# Altium PCB PIXHACK_V3X2.PcbDoc (part 2 of 3) (continued)
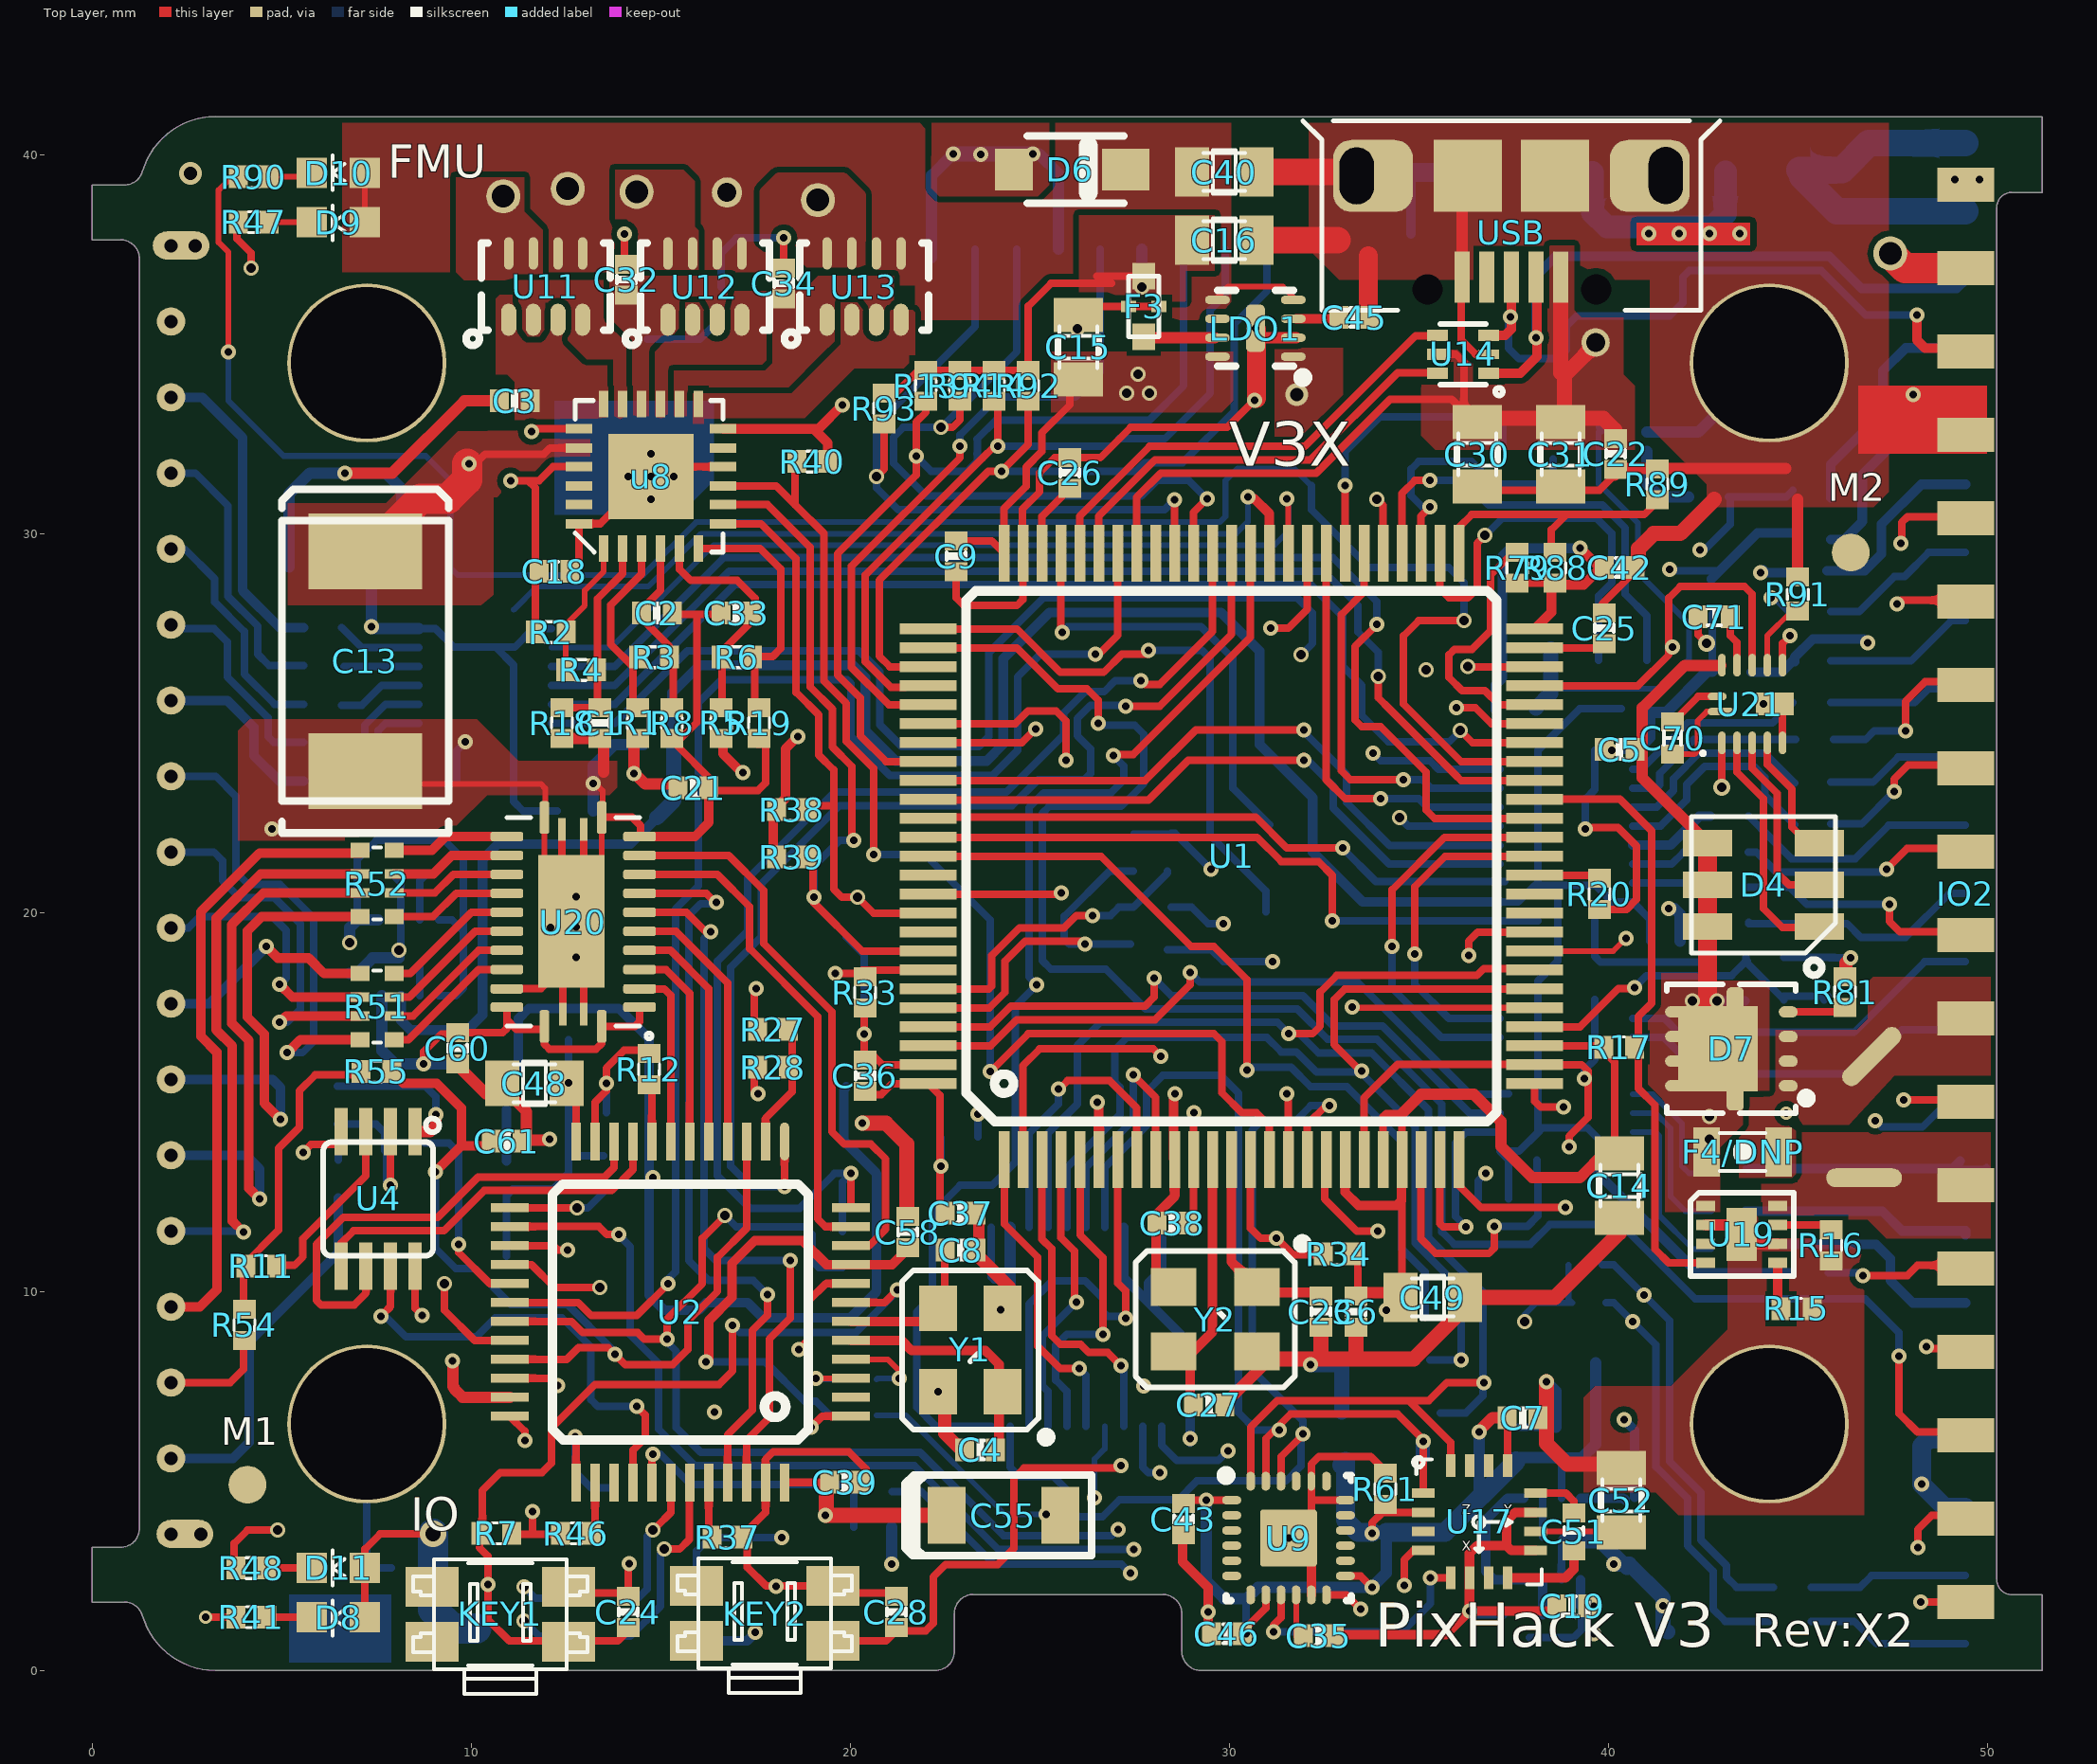
[diagram p0: Top Layer view]
## Nets (pads, with @x,y where several pads share a name; then routed paths per layer and width w, separated by ;. In a path a pad name is that pad's centre, name@x,y a point inside that pad or via, vN(x,y) a via of type N, cw(c..) or ccw(c..) an arc to the next point about the centre after c; other vN are vias at no path point) (continued)
  Top Layer w0.3: v1(6.666,31.592) 7.916,31.592 9.824,33.5 C3.2@10.65,33.5 ; U4.1@8.523,14.219 8.919,14.219 9.066,14.366 v1(9.066,14.667) ; v1@9.516,8.167 9.516,7.492 9.554,7.454 9.554,7.429 9.775,7.208 U2.35@11.02,7.208 ; C60.1@9.666,15.942 10.408,15.2 11.008,15.2 11.46,14.748 C61.1@11.46,13.992 ; C61.1@11.416,13.992 C61.1@11.46,13.992 ; v1@12.041,13.992 C61.1@11.46,13.992 ; R18.1@12.4,24.59 C1.2@13.4,24.59 13.5,24.49 13.5,23.7 ; C8.1@23.391,10.917 C37.1@23.391,11.992 ; C27.1@29.967,7.118 30.941,8.092 30.941,8.217 Y2.4@30.941,8.307 ; v1(30.691,35.417) 30.766,35.167 LDO1.2@31.691,35.167 LDO1.2@31.766,35.167 ; USB.5@36.145,36.764 USB.5@36.145,38.946 ; C22.1@40.091,31.617 C22.1@40.166,31.542 ; C22.1@40.216,31.717 44.683,31.717 ; U19.2@42.568,11.755 U19.6@43.268,11.755 ; U19.6@43.768,11.255 U19.6@44.468,11.255 ; pad.2@43.941,34.667 pad.2@43.966,34.692 ; pad.2@44.25,34.5 pad.2@45.191,34.092 ; pad.2@44.391,32.867 pad.2@44.391,34.442 ; R91.1@45,28.85 45,30.9 ; IO2.15@48.894,32.689 IO2.15@49.433,32.689
  Top Layer w0.35: Y1.4@22.491,7.355 22.491,6.257 C4.2@22.927,5.821 ; C8.1@23.391,10.917 24.191,10.117 Y1.2@24.191,9.555 ; R81.2@46.271,18.406 46.271,18.671 v1(46.4,18.8)
  Top Layer w0.4: v1(20.316,14.442) 20.941,14.442 21.491,13.892 C58.1@21.491,12.042 ; Y2.4@30.727,8.412 30.922,8.217 30.941,8.217 34.866,8.217 C49.1@36.266,9.617 ; 32.416,8.217 C23.2@32.416,8.967 ; 32.858,37.742 32.9,37.7 ; 33.341,8.217 C6.1@33.341,8.967 ; USB.5@33.69,39.542 USB.5@33.795,39.437 ; C49.1@36.316,9.842 38.591,9.842 40.291,11.542 C14.1@40.291,11.842 ; v1(38.366,7.617) 38.366,5.992 38.916,5.442 C52.2@40.241,5.442 ; C42.1@40.8,29.1 40.8,29.6 41.2,30 41.9,30 42.8,30.9
  Top Layer w0.5: KEY2.A2@19.551,2.227 KEY2.A2@19.735,2.042 ; v1@30.716,33.567 LDO1.2@30.716,35.392 ; C45.2@33.666,35.717 33.666,37.334
  Top Layer w0.7: C16.1@30.716,37.742 32.858,37.742 ; C40.1@30.716,39.542 USB.5@33.69,39.542
  Bottom Layer w0.15: R83.2@20.7,6.725 21.475,6.725 24.083,4.117 v1(25.166,4.117)
  Bottom Layer w0.2: ESD2.2@6.466,15.417 8.791,15.417 9.066,15.142 v1(9.066,14.667) ; pad.2@7.25,6.5 7.25,2.85 7.4,2.7 C29.1@7.9,2.7 ; C63.2@7.933,21 8.15,20.783 U10.2@8.15,19.8 8.15,18.85 U10.2@8.1,18.8 ; U10.6@8.65,17.8 8.65,18.55 ; U3.11@9.622,23.49 9.622,24.272 v1(9.85,24.5) ; 13.225,23.183 v1(13.225,23.4) 13.15,23.4 v1@13.225,23.475 ; C10.1@13.566,14.716 v1(13.566,15.492) ; R80.2@16.6,36.51 16.6,37.4 17,37.8 v1(18.25,37.8) ; U16.2@19.9,19.351 20.366,18.885 v1(20.366,16.792) ; C20.1@23.375,14.075 v1(23.375,14.675) ; CON3.10@23.716,11.692 23.716,10.384 23.8,10.3 24.216,10.3 ; v1(36.339,1.565) 36.437,1.467 C44.2@37.241,1.467 ; C64.1@36.566,12.442 36.566,12.917 v3(36.766,13.117) ; C47.2@37.591,6.417 C53.2@38.616,6.417 ; LDO2.2@38.266,3.517 LDO2.6@38.266,4.467 LDO2.6@38.266,4.542 ; LDO2.2@38.766,2.392 LDO2.2@38.766,2.467 LDO2.2@38.766,3.392 ; v1(39.366,15.617) 39.366,15.842 39.644,16.12 U7.11@39.644,17.702 ; v1(39.4,22.2) 39.4,23 39.644,23.244 U6.11@39.644,24.277 40.827,24.277 41.15,24.6 C67.1@41.15,25.275 ; R44.1@42.741,26.369 R24.1@42.741,27.882 ; R22.1@44.635,18.821 C59.1@45.97,18.821 ; C59.1@45.849,18.8 v1(46.4,18.8)
  Bottom Layer w0.25: TF1.6@34.8,37.9 34.8,39.435
  Bottom Layer w0.254: 33.441,39.442 cw(c33.535,39.442) 33.535,39.535
  Bottom Layer w0.3: C68.1@5.191,29.117 5.191,31.041 5.742,31.592 v1(6.666,31.592) 7.758,31.592 8.175,31.175 C54.1@8.175,29.775 ; C56.1@6.8,18.39 6.99,18.39 7.4,18.8 U10.2@8.1,18.8 ; C62.1@13.225,22.675 13.225,23.183 ; v1(13.225,23.4) 13.225,23.475 13.225,23.875 13.775,24.425 C65.1@14.55,24.425 ; R42.1@21.094,3.779 21.094,2.806 v1(21.1,2.8) ; TF1.6@22.15,37.275 22.15,39.451 v1(22.716,40.017) ; v1(23.966,9.517) 24.216,9.767 24.216,10.3 CON3.9@24.216,11.692 ; v1(24.816,40.017) 24.983,40.017 25.5,39.5 TF1.6@25.5,37.5 ; v1(38.366,7.617) 38.616,7.367 C53.2@38.616,6.417 ; U5.4@41.016,32.167 41.016,31.317 41.37,30.963 R36.1@42.122,30.963 ; U5.4@41.021,32.675 42.374,32.675 pad.2@43.341,33.642 ; C67.1@41.15,25.275 41.525,25.275 42.619,26.369 R44.1@42.741,26.369 ; v3(41.6,20.1) 41.75,20.1 41.891,19.959 C66.1@41.891,19.242
  Bottom Layer w0.4: v1(22.716,40.017) v1(24.816,40.017) ; v1(32.141,8.067) U18.3@32.966,8.067 U18.2@32.966,6.817 ; LDO2.2@38.866,3.417 39.791,3.417 C41.1@40.408,2.8 ; v1(40.15,2.8) C41.1@40.408,2.8 ; C41.1@40.491,2.717 C41.1@40.408,2.8 ; C57.1@41.566,1.017 41.45,1.133 v1(41.45,1.7) 41.45,1.908 40.558,2.8 C41.1@40.408,2.8
  Bottom Layer w0.5: 33.535,39.535 D2.1@36.839,39.535 ; IO2.21@49.425,4.3 48.883,4.3 v1(48.266,4.917) 48.266,5.916 48.45,6.1 IO2.22@49.425,6.1
  other v1: 29.441,1.542 18.041,2.217 14.166,2.817 31.566,3.492 16.416,6.817 22.316,7.355 9.512,8.171 18.641,8.467 12.066,14.017 17.566,15.217 12.766,18.817 12.1,19.6 12.766,19.617 12.766,20.417 48.041,33.667 49.141,39.342 49.791,39.342 23.45,40
  other v2: 8.1,19 35.2,26.4 26,35.4
  other v3: 4.75,22.2 14.748,30.911 14.148,31.511 14.748,31.511 15.348,31.511 14.748,32.111
  other v4: 44.7,14.7 40.1,24.277 44.1,25.5
  other v5: 2.6,39.5
GPS1_RX: R70.1 U7.18 | length 4.6
  Bottom Layer w0.15: U7.18@40.644,14.202 41.248,14.202 41.342,14.108 41.342,12.007 42.232,11.117 R70.1@42.716,11.117
GPS1_RX_IO: IO2.24 R70.2 | length 6.7
  Bottom Layer w0.254: R70.2@43.672,11.238 47.07,11.238 47.441,10.867 47.441,10.292 48.033,9.7 IO2.24@49.425,9.7
GPS1_TX: R78.2 U7.20 | length 6.3
  Bottom Layer w0.254: U7.20@39.644,13.202 42.35,10.496 R78.2@44.81,10.496
GPS1_TX_IO: IO2.5 R78.1 | length 3.7
  Top Layer w0.2: v1(46.716,10.417) 47.891,10.417 48.163,10.689 IO2.5@49.433,10.689
  Bottom Layer w0.2: R78.1@45.81,10.496 v1@46.716,10.496
GREEN: D4.C2 U21.4 | length 5
  Top Layer w0.2: U21.4@43.8,24.475 43.8,23.801 44.454,23.147 44.454,21.046 44.771,20.729 D4.C2@45.574,20.729
GYRO_DRDY: U1.35
GYRO_EXT_CS: CON3.13 U1.7 | length 10.9
  Top Layer w0.2: U1.7@27.06,13.484 27.06,10.223 27.266,10.017 v1(27.266,9.292)
  Bottom Layer w0.2: CON3.13@24.716,6.442 24.716,9.667 25.331,10.282 26.201,10.282 26.666,9.816 26.666,9.467 26.787,9.346 27.212,9.346 v1(27.266,9.292)
"HARDWARE BIT 0": R83.1 U2.4 | length 2.2
  Top Layer w0.15: U2.4@20.02,8.208 20.992,8.208 21.3,7.9 v1(21.3,7.7)
  Bottom Layer w0.15: R83.1@20.7,7.675 20.725,7.7 v1(21.3,7.7)
"HARDWARE BIT 1": R82.1 U2.3 | length 1.5
  Top Layer w0.15: v1(19.1,7.7) 19.108,7.708 U2.3@20.02,7.708
  Bottom Layer w0.15: v1(19.1,7.7) 19.125,7.675 R82.1@19.7,7.675
I2C1_SCL: R29.2 R74.1 U1.95 | length 8
  Top Layer w0.2: U1.95@22.06,17.984 23.66,17.984 23.735,18.059 23.735,18.861 24.47,19.596 25.646,19.596 25.973,19.923 v1@26.245,19.923
  Bottom Layer w0.2: v1(26.397,19.923) 26.873,19.923 27.088,20.138 27.472,20.138 28.371,21.037 R29.2@28.371,21.094
I2C1_SDA: R31.2 R73.1 U1.96 | length 10.1
  Top Layer w0.2: U1.96@22.06,17.484 23.676,17.484 24.089,17.897 24.089,18.715 24.616,19.242 26.116,19.242 v1(26.191,19.167)
  Bottom Layer w0.2: R73.1@27.401,19.167 v1(26.191,19.167) 25.783,19.167 25.65,19.3 25.65,19.9 26.844,21.094 R31.2@27.471,21.094
I2C2_SCL: R10.2 R30.2 U1.47 U21.9 | length 44.8
  Top Layer w0.2: U1.47@38.06,25.984 40.784,25.984 41.6,26.8 41.6,28.3 41.9,28.6 43.6,28.6 43.8,28.4 U21.9@43.8,26.525
  Signal1 w0.2: v1(40.65,9.2) 40.466,9.384 40.466,11.117 41.796,12.447 41.796,15.147 42.449,15.8 44.75,15.8 45.15,16.2 45.15,26.008 44.958,26.2 42.5,26.2 v1(41.7,27)
  Bottom Layer w0.2: R30.2@39.95,9.7 40.15,9.7 v1(40.65,9.2) 41.262,8.588 41.262,5.371 42.091,4.542 42.091,3.292 42.766,2.617 42.766,1.617 43.087,1.296 R10.2@44.36,1.296
I2C2_SCL_IO: IO2.19 R10.1 | length 4.3
  Bottom Layer w0.2: R10.1@45.36,1.296 46.487,1.296 47.083,0.7 IO2.19@49.425,0.7
I2C2_SDA: R9.2 R25.2 U1.48 U21.7 | length 57.4
  Top Layer w0.2: v2(36.3,26.492) 36.308,26.484 U1.48@38.06,26.484 ; U21.7@44.6,26.525 44.6,27.1 v1(44.8,27.3)
  Signal1 w0.2: v2(36.3,26.492) 38.092,26.492 38.5,26.9 38.5,30 39.637,31.137 43.066,31.137 43.604,30.6 48,30.6 48.3,30.3 48.3,27.2 47.5,26.4 46.004,26.4 45.504,25.9 ; v1(40.95,9.9) 40.95,11.1 42.15,12.3 42.15,15 42.596,15.446 44.897,15.446 45.504,16.053 45.504,25.9 ; v1(44.8,27.3) 44.666,27.3 45.504,26.462 45.504,25.9
  Bottom Layer w0.2: R25.2@39.85,10.7 40.15,10.7 v1(40.95,9.9) 41.616,9.234 41.616,5.518 42.445,4.689 42.445,3.439 43.12,2.764 43.12,2.463 43.387,2.196 R9.2@44.36,2.196
I2C2_SDA_IO: IO2.20 R9.1 | length 4.2
  Bottom Layer w0.2: R9.1@45.36,2.196 46.645,2.196 46.949,2.5 IO2.20@49.425,2.5
I2C_SCL_IO: IO2.7 R74.2 | length 35
  Top Layer w0.2: v3(47.8,15.05) IO2.7@49.383,15.05
  Signal1 w0.2: v3(29.85,19.7) 31.25,19.7 31.771,19.179 32.921,19.179 34.4,17.7 34.4,13.199 33.462,12.261 33.462,11.039 34.047,10.454 38.047,10.454 39.847,8.654 41.854,8.654 43.696,10.496 43.696,12.947 45.799,15.05 v3(47.8,15.05)
  Bottom Layer w0.2: R74.2@28.472,20.138 29.012,20.138 29.45,19.7 v3(29.85,19.7)
I2C_SDA_IO: IO2.27 R73.2 | length 35.1
  Signal1 w0.2: v3(31.15,18.7) 32.899,18.7 34.046,17.553 34.046,13.346 33.108,12.408 33.108,10.892 33.9,10.1 37.9,10.1 39.7,8.3 42.001,8.3 44.05,10.349 44.05,12.8 45.75,14.5 v3(47.05,14.5)
  Bottom Layer w0.2: R73.2@28.376,19.017 29.533,19.017 29.85,18.7 v3(31.15,18.7) ; v3(47.05,14.5) 47.212,14.338 48.288,14.338 49.05,15.1 IO2.27@49.425,15.1
I/O_POWER_BREATHING: R47.2 U2.32 | length 46
  Top Layer w0.2: R47.2@3.816,38.217 3.816,37.784 4.2,37.4 v2(4.2,37) ; v2(9.3,10.2) 9.3,9.5 10.092,8.708 U2.32@11.02,8.708
  Signal1 w0.2: v2(4.2,37) 5.3,38.1 8.1,38.1 9.8,36.4 9.8,32.8 9.1,32.1 9.1,31.2 8.5,30.6 7.2,30.6 6.6,30 6.6,27.2 7,26.8 9.3,26.8 10.4,25.7 10.4,17.5 10,17.1 8.6,17.1 8.2,16.7 8.2,15.7 8.7,15.2 9.9,15.2 10.2,14.9 10.2,10.6 9.8,10.2 v2(9.3,10.2)
IMU_TEMP_CON: CON3.17 U2.27 | length 37.2
  Top Layer w0.2: U2.27@11.02,11.208 12.175,11.208 12.291,11.092 v1(12.541,11.092)
  Signal1 w0.2: v1(12.541,11.092) 12.587,11.046 13.754,11.046 14.6,10.2 14.6,8 15,7.6 15,6.4 15.5,5.9 15.5,4.9 15,4.4 13.9,4.4 12.8,3.3 11.102,3.3 10.901,3.099 10.901,2.079 10.9,2.078 10.9,1.1 11.2,0.8 16.2,0.8 16.829,1.429 16.829,2.429 17.3,2.9 19.2,2.9 21.283,4.983 25.5,4.983 25.928,4.555 v1(26.445,4.555)
  Bottom Layer w0.15: v1(26.445,4.555) 26.445,5.573 26.716,5.844 CON3.17@26.716,6.442
IO1_3V3: C54.2 C60.2 C62.2 C68.2 pad.22@9.8,16.05 U3.2 U3.10 U3.19 U4.8 U10.8 U20.1 U20.2 U20.23 U20.24 | length 51.2
  Top Layer w0.2: U4.8@8.523,10.669 8.523,9.56 v1(8.712,9.371) ; v1(8.75,16) 8.75,16.326 9.216,16.792 C60.2@9.566,16.792 ; C60.2@9.641,16.827 10.827,16.827 10.942,16.942 U20.23@10.942,17.503 10.942,17.165 11.191,16.916 11.854,16.916 U20.24@11.933,16.995 11.933,16.525 12.062,16.396 13.295,16.396 13.445,16.546 U20.1@13.445,16.995 14.319,16.995 14.445,17.121 U20.2@14.445,17.503
  Signal1 w0.3: v1@7.524,27.6 9.228,27.6 10.804,26.024 10.804,16.838 10.708,16.742 ; v1(8.712,9.371) 9.82,9.371 10.708,10.259 10.708,16.742 ; v1(8.75,16) 9.966,16 10.708,16.742
  Bottom Layer w0.2: C68.2@7.183,28.825 C54.2@8.275,28.825 ; U3.19@8.622,27.49 9.06,27.49 9.55,27 10.65,27 ; U3.2@12.122,27.49 11.64,27.49 11.15,27 10.65,27 ; C62.2@12.275,22.675 11.375,22.675 11.122,22.928 U3.10@11.122,23.49 11.122,26.528 10.65,27
  Bottom Layer w0.3: C68.2@7.183,28.825 7.366,28.642 v1(7.366,27.542) ; v1@7.414,27.49 U3.19@8.622,27.49 ; U10.8@7.65,17.8 7.65,16.35 8,16 v1(8.75,16) pad.22@9.75,16
IO-3V3: BOOT0.A4 C10.2 C39.2 C41.2 C48.2 C55.1 C58.2 d5.1 LDO2.8 pad.1@11.616,4.192 pad.22@12.566,16.641 R7.2 R46.1 R82.2 R85.1 U2.9 U2.24 U2.36 U2.48 | length 36.6
  Top Layer w0.2: U2.36@11.02,6.708 11.416,6.312 v1(11.416,6.067) ; R7.2@11.172,3.596 12.245,3.596 R46.1@12.266,3.617 ; 11.616,3.596 v1(11.616,4.192) ; v1(12.566,15.5) 12.758,15.5 12.766,15.492 12.77,15.496 U2.24@12.77,13.958 ; U2.48@18.266,4.967 19.366,4.967 v1@19.366,4.092 ; U2.48@18.27,4.958 C39.2@19.366,4.958
  Top Layer w0.254: v1@16.266,8.142 16.266,9.227 16.881,9.842 16.881,10.742 17.481,11.342 18.741,11.342 19.375,10.708 U2.9@20.02,10.708 21.107,10.708 C58.2@21.491,11.092
  Top Layer w0.4: C39.2@19.366,4.958 19.366,4.092 C55.1@22.541,4.092
  Bottom Layer w0.2: d5.1@10.933,10.936 10.933,12.533 11.1,12.7 12.15,12.7 12.566,13.116 12.566,13.6 ; pad.22@12.566,16.641 12.566,13.6 ; R85.1@13.5,13.575 12.591,13.575 12.566,13.6 ; v1(16.191,8.142) 17.758,8.142 18.8,7.1 19.1,7.1 19.475,6.725 R82.2@19.7,6.725
  Bottom Layer w0.254: BOOT0.A4@15.949,0.777 17.277,0.777 v1(17.5,1) ; LDO2.8@39.266,4.542 40.391,4.542 40.441,4.492 C41.2@40.441,4.517 ; v1(40.416,6.617) 40.691,6.342 C41.2@40.691,4.567
  other v1: 19.341,4.092
IO-!VDD_SERVO_IN_FAULT: R46.2 U2.38 | length 1.3
  Top Layer w0.2: R46.2@13.27,3.621 U2.38@13.27,4.958
IO-BOOT0: R37.2 U2.44 | length 1.2
  Top Layer w0.2: R37.2@16.27,3.728 U2.44@16.27,4.958
IO-BOOT1: R12.2 U2.20 | length 1.3
  Top Layer w0.2: U2.20@14.77,13.958 R12.2@14.77,15.261
IO-OSC_IN: C8.2 U2.6 Y1.3 | length 4.1
  Top Layer w0.2: Y1.3@22.491,9.555 C8.2@22.491,11.028
  Top Layer w0.254: U2.6@20.02,9.208 Y1.3@22.669,9.208
IO-OSC_OUT: C4.1 U2.5 Y1.1 | length 6.6
  Top Layer w0.254: U2.5@20.02,8.708 21.35,8.708 21.616,8.442 23.566,8.442 23.927,8.081 Y1.1@23.927,7.266 ; C4.1@23.927,5.821 Y1.1@23.927,7.266 ; Y1.1@24.016,7.355 Y1.1@23.927,7.266
IO-SWCLK: pad.1@13.766,4.217 U2.37 | length 3.2
  Top Layer w0.2: U2.37@12.77,4.958 v1@12.77,6.138
  Bottom Layer w0.2: v1(12.741,6.167) 12.741,5.242 13.166,4.817 pad.1@13.666,4.817
IO_RESET: C24.2 KEY1.A4 R7.1 U2.7 | length 23.5
  Top Layer w0.2: R7.1@10.222,3.671 10.222,3.236 10.447,3.011 v1(10.447,2.267) 10.447,1.336 11.007,0.777 13.876,0.777 C24.2@14.141,1.042 ; R7.1@10.297,3.671 10.297,4.748 10.766,5.217 11.866,5.217 12.116,5.467 12.116,6.392 13.266,7.542 16.541,7.542 16.9,7.901 v1(16.9,9.1) ; U2.7@20.02,9.708 20.907,9.708 v1(21.241,10.042)
  Bottom Layer w0.2: v1(16.9,9.1) 17.079,8.921 20.157,8.921 21.241,10.005 v1(21.241,10.042)
IO_SWDIO: pad.1@11.466,7.417 U2.34 | length 1.4
  Top Layer w0.2: U2.34@11.02,7.708 12.1,7.708 v1@12.316,7.492
  other v1: 12.287,7.521
IO_SWO: U2.39
IO_USART1_TX: U1.69 U2.30 | length 38.4
  Top Layer w0.2: U2.30@11.02,9.708 12.825,9.708 13.166,9.367 14.367,9.367 v1(15.2,10.2) ; v1@26.466,26.717 27.06,27.311 U1.69@27.06,29.484
  Bottom Layer w0.2: v1(15.2,10.2) 15.2,10.326 15.391,10.517 15.391,20.092 16,20.701 16,25.542 16.6,26.142 19.919,26.142 20.019,26.042 20.019,24.642 21.042,23.619 23.758,23.619 24.422,24.283 24.422,26.222 25.017,26.817 v1(26.466,26.817)
MCU_3V3: C6.2 C9.2 C14.2 C15.2 C20.2 C36.2 C37.2 C38.2 C42.2 C49.2 LDO1.8 R17.1 R25.1 R29.1 R30.1 R31.1 R34.2 R49.1 R79.2 R88.2 U1.11 U1.19 U1.21 U1.22 U1.28 U1.50 U1.75 U1.100 U5.8 | length 54.9
  Top Layer w0.2: C36.2@20.391,15.192 20.816,15.192 21.108,15.484 U1.100@22.06,15.484 22.366,15.178 C37.2@22.366,11.917 ; C9.2@22.8,29.81 23.734,29.81 U1.75@24.06,29.484 24.06,30.661 24.646,31.247 24.646,31.757 25.054,32.165 25.054,32.654 25.8,33.4 25.8,33.6 ; C38.2@29.06,12.011 U1.11@29.06,13.484 v1@29.06,14.717 ; C6.2@33.397,9.986 R34.2@33.397,10.971 ; U1.21@34.06,13.484 34.06,14.611 34.147,14.698 34.56,14.698 U1.22@34.56,13.484 C49.2@34.56,10.111 ; C49.2@34.416,9.967 C49.2@34.466,10.017 ; R79.2@37.5,28.69 38.46,28.69 R88.2@38.5,28.65 ; U1.28@38.06,16.484 R17.1@39.849,16.484 ; R17.1@39.797,16.421 40.166,16.052 40.166,13.817 C14.2@40.041,13.692 ; C14.2@40.141,13.592 C14.2@40.166,13.567
  Top Layer w0.25: U1.19@33.06,13.484 33.06,12.619 33.412,12.267 34.416,12.267 34.541,12.392 U1.22@34.541,13.067
  Top Layer w0.254: U1.50@38.06,27.484 38.5,27.924 38.5,28.65 39.35,28.65 39.786,29.086 v1(39.26,29.611)
  Top Layer w0.3: C6.2@33.341,9.967 C49.2@34.416,9.967 ; 34.56,14.698 35.062,15.2 36.458,15.2 37.166,14.492 37.166,13.834 38,13 39.249,13 39.941,13.692 40.041,13.692 C14.2@40.041,13.792
  Bottom Layer w0.15: R31.1@27.471,22.094 R29.1@28.471,22.094
  Bottom Layer w0.154: v2(37.8,9.2) 37.8,9.4 38.1,9.7 R30.1@38.99,9.7 39.05,9.7 38.95,9.8 R25.1@38.95,10.7
  Bottom Layer w0.2: v1(22.4,13.3) C20.2@22.4,14.05 ; R29.1@28.471,22.094 28.564,22.094 v1(29.516,21.142)
  Bottom Layer w0.254: R49.1@37.022,25.338 37.022,26 37.211,26.189 U5.8@37.211,26.96 37.211,29.411 37.411,29.611 v1(39.26,29.611) v1@39.3,29.611
  other v1: 29.066,14.717
  other v2: 27.3,33.7 27.9,33.7 27.6,34.2
  other v3: 34.15,9.5
MPU_CS: CON3.12 U1.17 U9.22 | length 25.1
  Top Layer w0.2: U9.22@31.366,4.992 31.366,5.638 31.891,6.163 v1@31.891,6.317 ; U1.17@32.06,13.484 32.06,14.41 32.55,14.9 v1(32.65,14.9)
  Bottom Layer w0.2: CON3.12@24.216,6.442 24.216,5.367 24.466,5.117 25.366,5.117 25.866,4.617 25.866,4.217 26.033,4.051 26.654,4.051 27.103,4.5 28.649,4.5 29.149,5 31.5,5 31.891,5.391 v1@31.891,6.242 ; v1(31.941,6.242) 31.941,6.592 30.604,7.929 30.604,14.254 30.85,14.5 31.75,14.5 32.15,14.9 v1(32.65,14.9)
MPU_DRDY: CON3.11 U1.62 U9.12 | length 57.4
  Top Layer w0.2: v1@26.941,24.167 27.466,24.167 30.56,27.261 U1.62@30.56,29.484 ; U9.12@32.566,1.992 33.091,1.992 v1(33.466,1.617)
  Signal1 w0.2: v1(24.924,18.092) 26.508,18.092 27,17.6 27,11.2 29.146,9.054 29.146,7.146 28.95,6.95 27.6,6.95 26.662,6.012 26.662,5.108 26.666,5.104 26.666,5.046 26.932,4.78 26.949,4.763 27.674,4.038 29.762,4.038 31.1,2.7 32.283,2.7 33.366,1.617 v1(33.466,1.617)
  Bottom Layer w0.2: CON3.11@23.716,6.442 22.258,6.442 21.754,6.946 21.754,9.453 22.166,9.866 22.166,12.066 22.9,12.8 23.745,12.8 24.362,13.417 24.362,17.53 v1(24.924,18.092) 24.716,18.3 24.716,22.767 25.103,23.154 26.878,23.154 27.216,23.492 27.216,23.867 v1(26.941,24.142)
MPU_EXT_CS: CON3.18 U1.3 | length 8.5
  Top Layer w0.2: U1.3@25.06,13.484 25.06,11.383 25.316,11.127 25.316,8.834 25.55,8.6 26.086,8.6 26.298,8.388 26.795,8.388 v1(27.141,8.042)
  Bottom Layer w0.2: v1(27.141,8.042) 27.216,7.967 CON3.18@27.216,6.442
NetC1_1: C1.1 R4.1 R18.2 u8.2 | length 5.5
  Top Layer w0.2: R18.2@12.4,25.41 C1.1@13.4,25.41 13.329,25.481 13.329,28.275 13.999,28.945 u8.2@13.999,29.611
NetC2_1: C2.1 R3.1 R8.2 u8.4 | length 4.7
  Top Layer w0.2: u8.4@14.999,29.611 14.999,28.5 14.378,27.879 15.234,27.023 R3.1@15.234,26.736 ; R8.2@15.337,25.448 R3.1@15.337,26.688
NetC33_1: C33.1 R5.1 R6.2 u8.5 | length 6.1
  Top Layer w0.2: 15.499,29.085 15.499,29.06 ; u8.5@15.499,29.611 15.499,29.06 ; R6.2@16.5,26.757 16.62,26.637 R5.1@16.62,25.436 ; R6.2@16.566,26.842 17.491,27.767 17.491,28.292 17.016,28.767 15.791,28.767 15.499,29.06
NetC35_2: C35.2 U9.10 | length 1.1
  Top Layer w0.154: C35.2@31.766,0.867 U9.10@31.766,1.992
NetC44_1: C44.1 LDO2.3 | length 0.9
  Bottom Layer w0.254: C44.1@38.266,1.467 LDO2.3@38.266,2.392
NetC45_1: C45.1 LDO1.3 | length 0.8
  Top Layer w0.254: LDO1.3@31.766,35.667 32.616,35.667
NetC51_1: C51.1 U17.12 | length 1.4
  Top Layer w0.2: U17.12@38.085,4.676 38.882,4.676 39.091,4.467 C51.1@39.091,4.142
NetC51_2: C51.2 U17.8 | length 2.3
  Top Layer w0.254: U17.8@37.351,2.439 38.863,2.439 39.091,2.667 C51.2@39.091,3.092
NetC52_1: C52.1 U17.10 | length 2.3
  Top Layer w0.15: U17.10@38.085,3.664 C52.1@40.341,3.664
NetC63_1: C63.1 U10.3 | length 1.3
  Bottom Layer w0.2: U10.3@8.65,19.8 8.65,20.84 C63.1@8.81,21
NetC70_1: C70.1 U21.1 | length 2.2
  Top Layer w0.15: C70.1@41.7,24.175 42.275,24.175 42.355,24.255 42.355,25.055 42.6,25.3 U21.1@42.975,25.3
NetC70_2: C70.2 U21.12 | length 1.5
  Top Layer w0.2: C70.2@41.7,25.025 42.375,25.7 U21.12@42.875,25.7
NetC71_2: C71.2 U21.10 | length 1.3
  Top Layer w0.2: C71.2@43.225,27.8 43.225,27.3 43.4,27.125 U21.10@43.4,26.525
NetD1_2: D1.2 L1.2
NetD3_4: D3.4 R80.1 | length 2.2
  Bottom Layer w0.2: D3.4@14.65,35.125 16.035,35.125 R80.1@16.6,35.69
Netd5_2: d5.2 R45.1 | length 1.4
  Bottom Layer w0.25: d5.2@10.929,13.44 R45.1@10.929,14.806
NetD7_4: D7.4 R81.1 | length 1.5
  Top Layer w0.2: D7.4@44.75,17.375 R81.1@46.24,17.375
NetD8_2: D8.2 R41.2 | length 1.2
  Top Layer w0.2: R41.2@4.65,1.4 D8.2@5.8,1.4
NetD9_2: D9.2 R47.1 | length 1.1
  Top Layer w0.154: R47.1@4.716,38.217 D9.2@5.8,38.217
NetD10_2: D10.2 R90.1 | length 1.1
  Top Layer w0.154: R90.1@4.716,39.417 5.7,39.417 D10.2@5.8,39.517
NetD11_2: D11.2 R48.1 | length 1.2
  Top Layer w0.2: R48.1@4.65,2.7 D11.2@5.8,2.7
NetR1_1: R1.1 R3.2 u8.3 | length 4.8
  Top Layer w0.2: R1.1@14.268,25.436 14.268,26.49 13.683,27.075 13.683,28.113 14.499,28.928 u8.3@14.499,29.611
NetR2_1: R2.1 R4.2 u8.1 | length 3.6
  Top Layer w0.15: R4.2@12.49,26.4 12.49,27.59 13,28.1 13,28.5 13.499,28.999 u8.1@13.499,29.611
NetR6_1: R6.1 R19.2 u8.6 | length 6.6
  Top Layer w0.2: u8.6@15.999,29.611 17.622,29.611 18.166,29.067 18.166,26.967 17.956,26.757 17.487,26.757 R19.2@17.487,25.448
NetR11_2: R11.2 R54.1 R55.2 | length 8
  Top Layer w0.2: R54.1@3.995,9.611 3.995,10.653 3.96,10.688 3.987,10.688 4.92,11.621 4.92,13.783 5.47,14.333 5.47,15.296 5.887,15.713 R55.2@6.935,15.713
NetR15_1: R15.1 U19.5 | length 1.2
  Top Layer w0.254: R15.1@44.474,9.523 U19.5@44.474,10.749
NetR16_1: R16.1 U19.7 | length 1.4
  Top Layer w0.2: U19.7@44.468,11.755 R16.1@45.82,11.755
NetR49_2: R49.2 U5.3 U5.7 | length 12.8
  Bottom Layer w0.15: 38.481,25.782 38.603,25.904 41.354,25.904 42.129,26.679 42.129,27.621 40.779,28.971 40.779,30.283 39.751,31.311 U5.3@39.751,32.675
  Bottom Layer w0.2: U5.3@39.775,32.798 U5.3@39.821,32.712
  Bottom Layer w0.4: R49.2@38.091,25.392 38.481,25.782 U5.7@38.481,26.96
NetR85_2: R85.2 U2.25 | length 2.7
  Top Layer w0.2: U2.25@11.02,12.208 12.792,12.208 v2(12.8,12.2)
  Bottom Layer w0.2: v2(12.8,12.2) 13.075,12.2 R85.2@13.5,12.625
NetR86_2: R86.2 U2.43 | length 5.2
  Top Layer w0.2: v2(15.1,3.2) 15.5,3.2 15.756,3.456 15.756,4.944 U2.43@15.77,4.958
  Bottom Layer w0.2: R86.2@13.975,0.9 14.2,0.9 14.995,1.695 14.995,3.095 v2(15.1,3.2)
NetR87_2: R87.2 U2.42 | length 3.7
  Top Layer w0.2: v2@14.9,3.8 15.27,4.17 U2.42@15.27,4.958
  Bottom Layer w0.2: R87.2@13.975,1.9 14.4,1.9 14.641,2.141 14.641,3.541 v2(14.8,3.7)
NetR91_2: R91.2 U21.8 | length 1.6
  Top Layer w0.15: U21.8@44.2,26.525 44.2,27.307 R91.2@44.797,27.903
OSC_IN: C27.2 U1.12 Y2.3 | length 6.8
  Top Layer w0.254: Y2.3@28.527,8.412 29.039,8.412 29.56,8.933 U1.12@29.56,13.484 ; C27.2@28.967,7.008 Y2.3@28.967,7.972
OSC_OUT: C23.1 U1.13 Y2.1 | length 5.2
  Top Layer w0.254: U1.13@30.06,13.484 30.06,10.779 Y2.1@30.727,10.112 ; Y2.1@30.864,9.975 C23.1@32.388,9.975
OUT1: R52.8 U20.14 | length 3.2
  Top Layer w0.254: R52.8@7.966,21.642 8.966,21.642 9.33,22.006 U20.14@10.942,22.006 U20.14@10.967,22.006
OUT2: R52.7 U20.15 | length 3.2
  Top Layer w0.254: R52.7@7.966,21.017 9.002,21.017 9.49,21.506 U20.15@10.942,21.506 U20.15@10.967,21.506
OUT3: R52.6 U20.16 | length 3.2
  Top Layer w0.2: R52.6@7.966,20.517 9.041,20.517 9.529,21.006 U20.16@10.942,21.006 U20.16@10.967,21.006
OUT4: R52.5 U20.17 | length 3.3
  Top Layer w0.2: R52.5@7.966,19.892 8.991,19.892 9.605,20.506 U20.17@10.942,20.506 U20.17@10.967,20.506
OUT5: R51.8 U20.18 | length 3.7
  Top Layer w0.2: R51.8@7.966,18.392 8.392,18.392 10.006,20.006 U20.18@10.942,20.006 U20.18@10.967,20.006
OUT6: R51.7 U20.19 | length 3.7
  Top Layer w0.2: R51.7@7.966,17.767 8.367,17.767 10.106,19.506 U20.19@10.942,19.506 U20.19@10.967,19.506
OUT7: R51.6 U20.20 | length 3.7
  Top Layer w0.2: R51.6@7.966,17.267 8.467,17.267 10.201,19.002 U20.20@10.942,19.002 U20.20@10.967,19.002
OUT8: R51.5 U20.21 | length 3.8
  Top Layer w0.2: R51.5@7.966,16.642 8.342,16.642 10.194,18.494 U20.21@10.942,18.494 U20.21@10.967,18.494
PPM_IN: R53.2 U2.29 | length 5.3
  Top Layer w0.2: v1(9.666,11.242) 9.666,11.034 10.492,10.208 U2.29@11.02,10.208
  Bottom Layer w0.2: R53.2@8.772,13.913 9.42,13.913 9.666,13.667 v1(9.666,11.242)
PRESSURE_SENS: R43.1 R44.2 U1.34 | length 26.4
  Top Layer w0.2: v1@36.316,18.767 v1(36.316,18.867) 36.316,19.242 36.558,19.484 U1.34@38.06,19.484
  Signal1 w0.254: v1(36.316,18.867) 38.625,21.175 38.625,24.075 39.641,25.092 39.641,28.302 41.387,30.048 42.615,30.048 42.897,29.766 42.897,29.763 43.149,29.511 45.408,29.511 46.685,28.234 46.685,27.273 v1(46.841,27.117)
  Bottom Layer w0.254: R44.2@43.772,26.338 44.572,26.338 R43.1@44.916,26.682 ; R43.1@44.916,26.617 R43.1@44.916,26.682 ; v1(46.841,27.117) 46.739,27.219 45.4,27.219 44.916,26.735 R43.1@44.916,26.682
PWM_OUT1: IO1.4 pad.7@2.081,9.596 pad.23@2.081,9.596 R52.1 | length 16.4
  Top Layer w0.254: pad.23@2.081,9.596 2.846,9.596 3.291,10.041 3.291,16.312 2.87,16.733 2.87,20.02 4.417,21.567 R52.1@7.066,21.567
PWM_OUT2: IO1.5 pad.8 pad.23@2.081,11.596 R52.2 | length 14.7
  Top Layer w0.2: 3.82,11.738 v1(3.991,11.567)
  Top Layer w0.254: 3.82,11.738 3.699,11.859 3.699,16.481 3.278,16.902 3.278,19.851 4.444,21.017 R52.2@7.066,21.017
  Bottom Layer w0.2: IO1.5@2.081,11.596 v1@3.962,11.596
PWM_OUT3: IO1.6 pad.9 pad.23@2.081,13.596 R52.3 | length 14.5
  Top Layer w0.254: v1(4.416,12.442) 4.136,12.722 4.136,16.621 3.686,17.071 3.686,19.682 4.521,20.517 R52.3@7.066,20.517
  Bottom Layer w0.254: IO1.6@2.081,13.596 4.054,13.596 4.416,13.234 v1(4.416,12.442)
PWM_OUT4: IO1.7 pad.10 pad.23@2.081,15.596 R52.4 | length 12.3
  Top Layer w0.254: v1(4.966,14.542) 4.544,14.964 4.544,16.79 4.094,17.24 4.094,19.513 4.473,19.892 R52.4@7.066,19.892
  Bottom Layer w0.254: IO1.7@2.081,15.596 4.754,15.596 4.966,15.384 v1(4.966,14.542)
PWM_OUT5: IO1.8 pad.11 pad.23@2.081,17.596 R51.1 | length 5.9
  Top Layer w0.254: v1(4.6,19.1) 4.902,18.798 5.71,18.798 6.116,18.392 R51.1@7.066,18.392
  Bottom Layer w0.254: IO1.8@2.081,17.596 3.096,17.596 v1(4.6,19.1)
PWM_OUT6: IO1.9 pad.12 pad.23@2.081,19.596 R51.2 | length 7.2
  Top Layer w0.254: v1(4.95,18.1) 5.283,17.767 R51.2@7.066,17.767
  Bottom Layer w0.2: IO1.9@2.081,19.596 2.545,19.596 2.841,19.892 4.758,19.892 5.117,19.533 5.117,18.267 v1(4.95,18.1) ; IO1.9@2.366,19.517 IO1.9@2.441,19.592